# Altium PCB PCB2.PcbDoc (part 2 of 2) (continued)
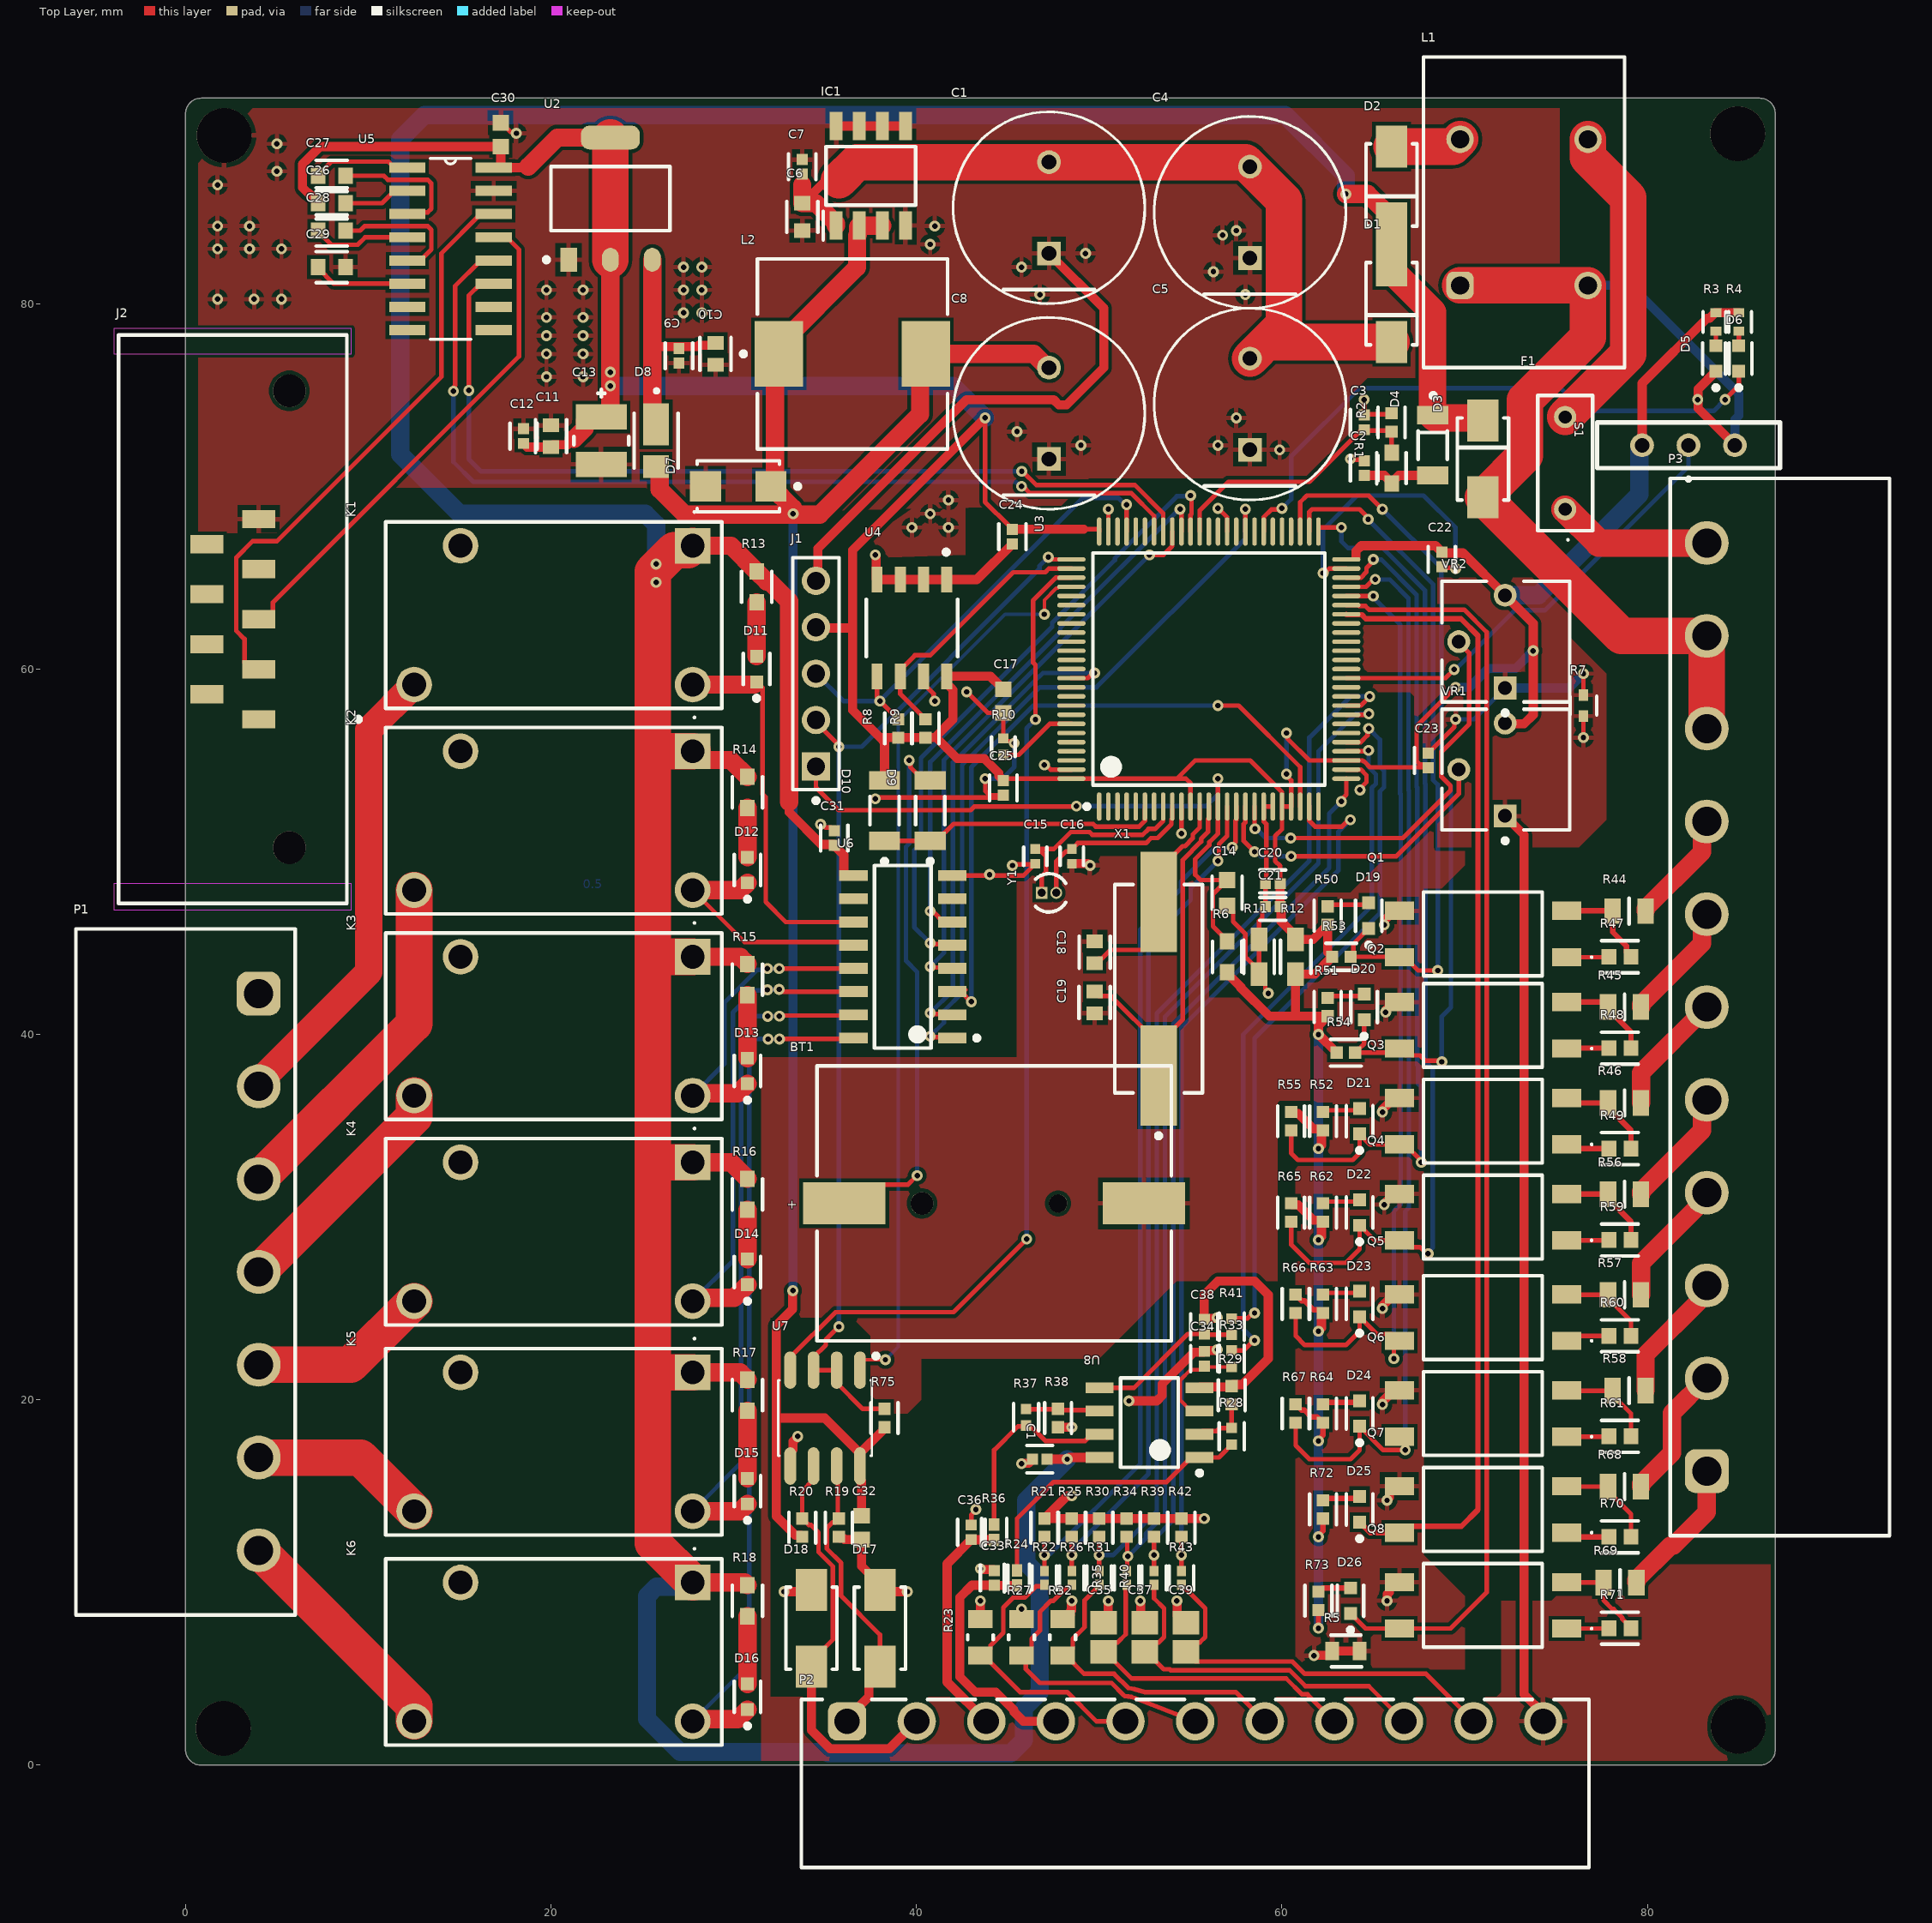
[diagram p0: Top Layer view]
## Nets (pads, with @x,y where several pads share a name; then routed paths per layer and width w, separated by ;. In a path a pad name is that pad's centre, name@x,y a point inside that pad or via, vN(x,y) a via of type N, cw(c..) or ccw(c..) an arc to the next point about the centre after c; other vN are vias at no path point) (continued)
  Top Layer w0.25: U3.64@55.5,67.525 55.5,68.684 57.066,70.25 61.5,70.25 64.25,73 C3.1@64.75,73 ; C3.1@64.5,73.1 64.551,73.048 65.949,73.048 R2.2@66,72.997 R1.1@66,71.85
NetC15_1: C15.1 U3.8 Y1.1 | length 11.4
  Top Layer w0.25: Y1.1@46.85,47.75 46.85,48.655 47.085,48.89 47.085,49.745 46.815,50.015 46.635,50.015 C15.1@46.5,50.15 47.52,50.15 48.447,51.076 49.476,51.076 49.627,50.925 52.373,50.925 52.698,51.25 53.061,51.25 53.5,51.689 U3.8@53.5,52.475
NetC16_1: C16.1 U3.9 Y1.2 | length 9.9
  Top Layer w0.25: Y1.2@47.65,47.75 47.65,49.48 48.185,50.015 48.365,50.015 48.825,50.475 52.559,50.475 52.834,50.75 53.198,50.75 53.95,51.502 53.95,51.775 54,51.825 U3.9@54,52.475
NetC18_1: C18.1 U3.12 X1.2 | length 12.1
  Top Layer w0.25: C18.1@49.75,43.9 50,44.15 50.15,44.15 50.625,44.625 52.375,44.625 53.25,45.5 53.25,49 54.558,50.308 54.692,50.308 55.125,50.741 55.125,50.95 55.5,51.325 U3.12@55.5,52.475
NetC19_1: C19.1 U3.13 X1.1 | length 20.5
  Top Layer w0.25: C19.1@49.75,42.35 50,42.1 50.65,42.1 X1.1@53.25,39.5 ; X1.1@53.25,37.75 X1.1@53.25,39.5 ; U3.13@56,52.475 56,51.825 55.95,51.775 55.95,51.082 55.575,50.707 55.575,50.555 54.575,49.555 54.575,40.825 X1.1@53.25,39.5
NetC26_2: C26.2 U5.2 | length 3.7
  Top Layer w0.25: C26.2@8.75,85.5 10.752,85.5 11.427,86.175 U5.2@12.138,86.175
NetC27_1: C27.1 U5.1 | length 5.4
  Top Layer w0.25: C27.1@7.25,87 7.25,87.05 7.975,87.775 11.097,87.775 11.427,87.445 U5.1@12.138,87.445
NetC27_2: C27.2 U5.3 | length 7.7
  Top Layer w0.25: C27.2@8.75,87 10.853,87 11.074,86.779 13.263,86.779 13.453,86.589 13.453,85.203 13.25,85 12.233,85 U5.3@12.138,84.905
NetC28_1: C28.1 U5.4 | length 5.4
  Top Layer w0.25: C28.1@7.25,84 7.25,83.95 7.975,83.225 9.419,83.225 9.829,83.635 U5.4@12.138,83.635
NetC28_2: C28.2 U5.5 | length 7.5
  Top Layer w0.25: C28.2@8.75,84 9.557,84 9.797,84.239 13.263,84.239 13.453,84.049 13.453,82.969 12.849,82.365 U5.5@12.138,82.365
NetC29_1: C29.1 U5.6 | length 5.3
  Top Layer w0.25: C29.1@7.25,82 7.25,81.95 8.105,81.095 U5.6@12.138,81.095
NetD2_2: D2.2 L1.2 | length 3.9
  Top Layer w2: D2.2@66,88.6 69.35,88.6 L1.2@69.75,89
NetD5_2: D5.2 R3.2 | length 0.8
  Top Layer w0.25: D5.2@83.75,77.7 R3.2@83.75,78.5
NetD6_1: D6.1 U3.57 | length 33
  Top Layer w0.25: U3.57@59,67.525 59,68.311 59.422,68.733 59.933,68.733 v1(60,68.8) ; v2(84.25,74.75) 85,75.5 D6.1@85,76.3
  Bottom Layer w0.25: v1(60,68.8) 60.5,69.3 60.5,71.634 64.241,75.375 75.246,75.375 76.496,74.125 83.625,74.125 v2(84.25,74.75)
NetD6_2: D6.2 R4.2 | length 0.8
  Top Layer w0.25: D6.2@85,77.7 R4.2@85,78.5
NetD9_1: D9.1 D10.1 U3.6 | length 15.6
  Top Layer w0.25: D10.1@38.25,50.6 D9.1@40.75,50.6 41.1,50.6 42.026,51.526 49.662,51.526 49.814,51.375 52.186,51.375 52.5,51.689 U3.6@52.5,52.475
NetD11_2: D11.2 R13.1 | length 2.9
  Top Layer w1: D11.2@31.25,60.7 R13.1@31.25,63.65
NetD12_2: D12.2 R14.1 | length 2.7
  Top Layer w1: D12.2@30.75,49.7 R14.1@30.75,52.4
NetD13_2: D13.2 R15.1 | length 3.4
  Top Layer w1: D13.2@30.75,38.7 R15.1@30.75,42.15
NetD14_2: D14.2 R16.1 | length 2.7
  Top Layer w1: D14.2@30.75,27.7 R16.1@30.75,30.4
NetD15_2: D15.2 R17.1 | length 3.7
  Top Layer w1: D15.2@30.75,15.7 R17.1@30.75,19.4
NetD16_2: D16.2 R18.1 | length 3.7
  Top Layer w1: D16.2@30.75,4.45 R18.1@30.75,8.15
NetD19_1: D19.1 Q1.4 R53.2 U3.52 | length 38
  Top Layer w0.25: U3.52@61.5,67.525 61.5,68.604 61.646,68.75 64.25,68.75 64.72,68.28 v1(64.72,68.191) ; D19.1@64.75,45.8 63.911,44.961 63.911,44.408 R53.2@63.754,44.25 66.405,44.25 Q1.4@66.425,44.23 66.725,44.23 67.455,43.5 v1(68.525,43.5)
  Bottom Layer w0.25: v1(64.72,68.191) 68.275,64.636 68.275,53.92 68.525,53.67 v1(68.525,43.5)
NetD19_2: D19.2 R50.1 | length 2.3
  Top Layer w0.25: R50.1@62.5,47.004 62.598,47.102 64.652,47.102 D19.2@64.75,47.2
NetD20_1: D20.1 Q2.4 R54.2 U3.53 | length 45.7
  Top Layer w0.25: U3.53@61,67.525 61,69.136 61.364,69.5 64.75,69.5 v1(65.5,68.75) ; D20.1@64.5,40.8 64.5,39.496 64.215,39.211 64.211,39.211 64.004,39.004 R54.2@64.004,39 66.195,39 Q2.4@66.425,39.23 66.8,38.855 67.55,38.855 67.838,38.567 68.683,38.567 v1(68.75,38.5)
  Bottom Layer w0.25: v1(65.5,68.75) 68.725,65.525 68.725,54.106 69.25,53.581 69.25,41.489 68.75,40.989 v1(68.75,38.5)
NetD20_2: D20.2 R51.1 | length 2.1
  Top Layer w0.25: R51.1@62.5,42.004 62.598,42.102 64.402,42.102 D20.2@64.5,42.2
NetD21_1: D21.1 Q3.4 R55.2 U3.48 | length 46.8
  Top Layer w0.25: R55.2@60.5,34.746 60.5,33.5 60.875,33.125 63.875,33.125 64.25,33.5 D21.1@64.25,34.55 64.82,33.98 66.725,33.98 67.625,33.08 v1(67.625,33) ; U3.48@63.525,65 64.311,65 64.625,65.314 64.625,65.53 65,65.905 v1(65,66)
  Bottom Layer w0.25: v1(65,66) 65.009,65.991 65.445,65.991 67.375,64.061 67.375,53.547 67.4,53.522 67.4,38.33 67.45,38.28 67.45,37.306 67.625,37.131 v1(67.625,33)
NetD21_2: D21.2 R52.1 | length 2.1
  Top Layer w0.25: R52.1@62.25,35.754 62.348,35.852 64.152,35.852 D21.2@64.25,35.95
NetD22_1: D22.1 Q4.4 R65.2 U3.51 | length 55.9
  Top Layer w0.25: R65.2@60.5,29.746 60.5,28.5 61.5,27.5 63.5,27.5 64.25,28.25 D22.1@64.25,29.55 65.07,28.73 66.7,28.73 67.075,28.355 67.55,28.355 67.905,28 v1(68,28) ; U3.51@62,67.525 62,67.75 v1(63.25,67.75)
  Bottom Layer w0.25: v1(63.25,67.75) 63.25,67 63.625,66.625 65.511,66.625 67.825,64.311 67.825,53.734 67.85,53.709 67.85,38.516 68.25,38.116 68.25,28.321 68,28.071 v1(68,28)
NetD22_2: D22.2 R62.1 | length 2.1
  Top Layer w0.25: R62.1@62.25,30.754 62.348,30.852 64.152,30.852 D22.2@64.25,30.95
NetD23_1: D23.1 Q5.4 R66.2 U3.46 | length 54.5
  Top Layer w0.25: R66.2@60.75,24.746 60.75,23.5 61.25,23 63.5,23 64.25,23.75 D23.1@64.25,24.55 65.195,23.605 66.05,23.605 66.75,22.905 66.175,22.905 66.125,22.855 v1(66.125,22.25) ; U3.46@63.525,64 64.325,64 v1(65,64)
  Bottom Layer w0.25: v1(65,64) 65,63.905 66.475,62.43 66.475,53.175 66.5,53.15 66.5,30.702 66.125,30.327 v1(66.125,22.25)
NetD23_2: D23.2 R63.1 | length 2.1
  Top Layer w0.25: R63.1@62.25,25.754 62.348,25.852 64.152,25.852 D23.2@64.25,25.95
NetD24_1: D24.1 Q6.4 R67.2 U3.47 | length 61.2
  Top Layer w0.25: R67.2@60.75,18.746 60.75,17.5 61.5,16.75 63.75,16.75 64.25,17.25 D24.1@64.25,18.55 65.55,17.25 v1(66.75,17.25) 66.75,17.655 Q6.4@66.425,17.98 ; U3.47@63.525,64.5 64.597,64.5 65.01,64.913 v1(65.104,64.913)
  Bottom Layer w0.25: v1(65.104,64.913) 65.122,64.896 65.904,64.896 66.925,63.875 66.925,53.361 66.95,53.336 66.95,30.515 66.75,30.315 v1(66.75,17.25)
NetD24_2: D24.2 R64.1 | length 2.4
  Top Layer w0.3: R64.1@62.25,19.754 62.348,19.852 D24.2@64.348,19.852 ; D24.2@64.25,19.95 D24.2@64.446,19.754
NetD25_1: D25.1 Q7.4 U3.44 | length 62.8
  Top Layer w0.3: U3.44@63.525,63 63.55,62.975 64.353,62.975 64.372,62.975 64.597,62.75 69.804,62.75 70.725,61.829 70.725,13.981 69.824,13.08 66.775,13.08 Q7.4@66.425,12.73 64.82,12.73 D25.1@64.25,13.3
NetD25_2: D25.2 R72.1 | length 2.1
  Top Layer w0.3: R72.1@62.25,14.504 62.348,14.602 64.152,14.602 D25.2@64.25,14.7
NetD26_1: D26.1 Q8.4 U3.45 | length 69.5
  Top Layer w0.25: U3.45@63.525,63.5 64.175,63.5 64.225,63.45 64.568,63.45 64.768,63.25 69.976,63.25 71.2,62.026 71.2,9.45 69.23,7.48 Q8.4@66.425,7.48 64.57,7.48 D26.1@63.75,8.3
NetD26_2: D26.2 R73.1 | length 1.8
  Top Layer w0.3: R73.1@62,9.504 62.004,9.504 62.2,9.7 D26.2@63.75,9.7
NetF1_1: F1.1 P3.11 | length 8.5
  Top Layer w1.5: F1.1@75.5,68.75 77.35,66.9 P3.11@83.25,66.9
NetF1_2: F1.2 L1.3 | length 17.5
  Top Layer w2: F1.2@75.5,73.8 78.95,77.25 78.95,85.8 76.75,88 L1.3@76.75,89
NetJ2_3: J2.3 U5.13 | length 28
  Top Layer w0.25: J2.3@4,62.73 4.4,62.73 4.775,63.105 4.775,63.641 18.25,77.116 18.25,82.958 17.573,83.635 U5.13@16.862,83.635
NetQ1_1: Q1.1 R47.2 | length 2.3
  Top Layer w0.25: Q1.1@75.575,44.23 77.879,44.23 R47.2@77.899,44.25
NetQ1_2: Q1.2 R44.2 R47.1 | length 5.4
  Top Layer w0.3: Q1.2@75.575,46.77 78.08,46.77 R44.2@78.1,46.75 78.1,45.6 78.848,44.852 78.848,44.503 R47.1@79.101,44.25
NetQ2_1: Q2.1 R48.2 | length 2.3
  Top Layer w0.3: Q2.1@75.575,39.23 75.595,39.25 R48.2@77.899,39.25
NetQ2_2: Q2.2 R45.2 R48.1 | length 5.2
  Top Layer w0.3: Q2.2@75.575,41.77 77.58,41.77 R45.2@77.85,41.5 77.85,41.25 78.15,40.95 78.28,40.95 79.101,40.129 R48.1@79.101,39.25
NetQ3_1: Q3.1 R49.2 | length 2.4
  Top Layer w0.3: Q3.1@75.575,33.98 75.805,33.75 R49.2@77.899,33.75
NetQ3_2: Q3.2 R46.2 R49.1 | length 5.4
  Top Layer w0.3: Q3.2@75.575,36.52 75.845,36.25 R46.2@77.85,36.25 77.85,36 79.101,34.749 R49.1@79.101,33.75
NetQ4_1: Q4.1 R59.2 | length 2.3
  Top Layer w0.25: Q4.1@75.575,28.73 77.879,28.73 R59.2@77.899,28.75
NetQ4_2: Q4.2 R56.2 R59.1 | length 5.3
  Top Layer w0.3: Q4.2@75.575,31.27 77.83,31.27 R56.2@77.85,31.25 77.85,31 79.101,29.749 R59.1@79.101,28.75
NetQ5_1: Q5.1 R60.2 | length 2.4
  Top Layer w0.25: Q5.1@75.575,23.23 75.845,23.5 R60.2@77.899,23.5
NetQ5_2: Q5.2 R57.2 R60.1 | length 5.1
  Top Layer w0.25: Q5.2@75.575,25.77 75.595,25.75 R57.2@77.85,25.75 77.85,25.5 78.175,25.175 78.23,25.175 79.101,24.304 R60.1@79.101,23.5
NetQ6_1: Q6.1 R61.2 | length 2.3
  Top Layer w0.25: Q6.1@75.575,17.98 77.879,17.98 R61.2@77.899,18
NetQ6_2: Q6.2 R58.2 R61.1 | length 5.4
  Top Layer w0.25: Q6.2@75.575,20.52 75.595,20.5 R58.2@78.1,20.5 78.1,20.25 79.101,19.249 R61.1@79.101,18
NetQ7_1: Q7.1 R70.2 | length 2.4
  Top Layer w0.3: Q7.1@75.575,12.73 75.805,12.5 R70.2@77.899,12.5
NetQ7_2: Q7.2 R68.2 R70.1 | length 5.6
  Top Layer w0.25: Q7.2@75.575,15.27 75.595,15.25 R68.2@77.85,15.25 77.85,15 79.101,13.749 R70.1@79.101,12.5
NetQ8_1: Q8.1 R71.2 | length 2.3
  Top Layer w0.25: Q8.1@75.575,7.48 77.879,7.48 R71.2@77.899,7.5
NetQ8_2: Q8.2 R69.2 R71.1 | length 5.2
  Top Layer w0.25: Q8.2@75.575,10.02 75.595,10 R69.2@77.6,10 77.6,9.027 78.082,8.545 78.145,8.545 78.627,8.064 78.627,8 79.101,7.526 R71.1@79.101,7.5
NetR10_1: R10.1 U3.94 | length 4.4
  Top Layer w0.25: R10.1@44.75,55.3 45.587,55.3 47.287,57 U3.94@48.475,57
NetR21_1: R21.1 R22.2 U3.16 | length 47.9
  Top Layer w0.25: R22.2@47,10.626 v2(47,11.5) R21.1@47,12.496 ; v1(57.275,50.25) 57.275,50.345 57.45,50.52 57.45,51.695 57.5,51.745 U3.16@57.5,52.475
  Bottom Layer w0.25: v2(47,11.5) 47.067,11.567 47.317,11.567 52.25,16.5 52.25,45.75 54.467,47.967 54.467,48.35 56.325,50.209 57.234,50.209 v1(57.275,50.25)
NetR25_1: R25.1 R26.2 U3.15 | length 46.4
  Top Layer w0.25: R26.2@48.5,10.626 v2(48.5,11.5) R25.1@48.5,12.496 ; v1(56.5,49.5) 56.558,49.558 56.558,50.416 57,50.859 U3.15@57,52.475
  Bottom Layer w0.25: v2(48.5,11.5) 48.567,11.567 48.567,11.817 52.7,15.95 52.7,45.066 55.008,47.375 55.008,48.008 v1(56.5,49.5)
NetR30_1: R30.1 R31.2 U3.34 | length 57.5
  Top Layer w0.25: R31.2@50,10.626 v2(50,11.5) R30.1@50,12.496 ; U3.34@63.525,58 64.311,58 64.8,58.489 v1(64.8,58.5)
  Bottom Layer w0.25: v2(50,11.5) 50.75,11.5 53.15,13.9 53.15,41.15 61.5,49.5 61.5,56.25 63.75,58.5 v1(64.8,58.5)
NetR33_1: R33.1 U3.29 | length 38.4
  Top Layer w0.25: R33.1@57.25,22.704 57.915,22.704 58.461,23.25 v2(58.5,23.25) ; U3.29@63.525,55.5 64.695,55.5 v1(64.74,55.545)
  Bottom Layer w0.25: v2(58.5,23.25) 57.875,23.875 57.875,39.991 64.915,47.031 64.915,53.491 65.141,53.717 65.141,54.235 64.74,54.636 v1(64.74,55.545)
NetR34_2: R34.2 R35.2 U3.33 | length 55.2
  Top Layer w0.25: R35.2@51.5,10.626 51.533,10.66 51.533,11.4 v2(51.567,11.433) 51.533,11.467 51.533,12.463 R34.2@51.5,12.496 ; U3.33@63.525,57.5 64.7,57.5 v1(64.75,57.55)
  Bottom Layer w0.25: v2(51.567,11.433) 52.55,12.416 52.55,12.664 53.6,13.714 53.6,40.964 62,49.364 62,55.5 64.05,57.55 v1(64.75,57.55)
NetR39_1: R39.1 R40.2 U3.26 | length 48.7
  Top Layer w0.25: R40.2@53,10.626 v2(53,11.5) R39.1@53,12.496 ; v1(63.25,52.75) 63.25,52.845 63.525,53.12 U3.26@63.525,54
  Bottom Layer w0.25: v2(53,11.5) 53,12.364 54.05,13.414 54.05,40.57 62.586,49.106 62.586,52.086 v1(63.25,52.75)
NetR41_2: R41.2 U3.30 | length 38.4
  Top Layer w0.25: R41.2@57.25,24.454 58.109,24.454 58.405,24.75 v2(58.5,24.75) ; U3.30@63.525,56 64.311,56 64.681,56.369 64.681,56.683 v1(64.748,56.75)
  Bottom Layer w0.25: v2(58.5,24.75) 58.5,39.784 65.365,46.649 65.365,53.305 65.591,53.531 65.591,54.421 65.365,54.647 65.365,56.133 v1(64.748,56.75)
NetR42_1: R42.1 R43.2 U3.24 | length 49.3
  Top Layer w0.25: R43.2@54.5,10.626 v2(54.5,11.5) R42.1@54.5,12.496 ; U3.24@61.5,52.475 61.5,51.689 61.814,51.375 63.28,51.375 63.655,51.75 v1(63.75,51.75)
  Bottom Layer w0.25: v2(54.5,11.5) 54.5,40.384 63.086,48.97 63.086,51.086 v1(63.75,51.75)
NetU3_17: U3.17 VR1.2 | length 16.8
  Top Layer w0.25: U3.17@58,52.475 58,51.609 57.9,51.509 57.9,50.6 v1(58.5,50) ; v1(60.5,49.75) 66.25,49.75 69.675,53.175 VR1.2@69.675,54.5
  Bottom Layer w0.25: v1(58.5,50) 58.595,50 58.845,49.75 v1(60.5,49.75)
NetU3_18: U3.18 VR2.2 | length 22.4
  Top Layer w0.25: U3.18@58.5,52.475 58.5,51.275 v1(58.525,51.25) ; v1(60.475,50.75) 66.614,50.75 69.225,53.361 69.225,53.606 68.725,54.106 68.725,55.475 70.25,57 70.25,60.868 69.675,61.443 VR2.2@69.675,61.5
  Bottom Layer w0.25: v1(58.525,51.25) 58.62,51.25 59.12,50.75 v1(60.475,50.75)
NetU3_23: U3.23 U6.3 | length 37.4
  Top Layer w0.25: U6.3@41.95,42.44 U6.3@42.52,42.44 ; U6.3@42.69,42.44 U6.3@42.52,42.44 ; v1(43,41.793) 42.977,41.793 42.52,42.25 U6.3@42.52,42.44 ; v1(56.5,58) 57.633,58 61,54.633 U3.23@61,52.475
  Bottom Layer w0.25: v1(43,41.793) 43,54.614 46.386,58 v1(56.5,58)
NetU3_59: U3.59 U6.1 | length 40.3
  Top Layer w0.25: v1(40.75,39.9) 40.797,39.853 41.902,39.853 U6.1@41.95,39.805 ; U3.59@58,67.525 58,68.175 v1(58,68.75)
  Bottom Layer w0.25: v1(40.75,39.9) 41.5,40.65 41.5,41.284 42.5,42.284 42.5,54.75 46.75,59 49.849,59 58,67.151 v1(58,68.75)
NetU3_65: U3.65 U6.5 | length 34.8
  Top Layer w0.25: v1(40.75,45) 40.807,44.943 41.892,44.943 U6.5@41.95,44.885 ; U3.65@55,67.525 55,68.441 55.05,68.491 55.05,69.45 v1(55,69.5)
  Bottom Layer w0.25: v1(40.75,45) 39.875,45.875 39.875,50.081 40.25,50.456 40.25,55.136 47.425,62.311 47.425,62.537 50.862,65.974 50.862,66.071 54.25,69.459 54.959,69.459 v1(55,69.5)
NetU3_66: U3.66 U6.6 | length 30.4
  Top Layer w0.25: v1(40.75,46.75) 40.817,46.683 40.947,46.683 41.475,46.155 U6.6@41.95,46.155 ; v1(54.425,68.75) 54.425,68.655 54.5,68.58 U3.66@54.5,67.525
  Bottom Layer w0.25: v1(40.75,46.75) 40.75,54.909 47.875,62.034 47.875,62.258 54.366,68.75 v1(54.425,68.75)
NetU3_67: U3.67 U6.4 | length 31
  Top Layer w0.25: v1(40.75,43.71) 40.797,43.663 41.902,43.663 U6.4@41.95,43.615 ; v1(52.75,66.25) 53.511,66.25 54,66.739 U3.67@54,67.525
  Bottom Layer w0.25: v1(40.75,43.71) 41.5,44.46 41.5,55.023 46.537,60.06 46.56,60.06 v1(52.75,66.25)
NetU3_68: U3.68 U5.11 | length 50.8
  Top Layer w0.25: v2(15.5,75.25) 15.5,80.444 16.151,81.095 U5.11@16.862,81.095 ; v2(45.759,70.819) 45.815,70.819 46.559,70.075 51.945,70.075 53.5,68.52 U3.68@53.5,67.525
  Bottom Layer w0.25: v2(15.5,75.25) 15.5,71.5 16.181,70.819 v2(45.759,70.819)
NetU3_69: U3.69 U5.12 | length 52.8
  Top Layer w0.25: v2(14.658,75.208) 14.725,75.275 14.725,75.505 14.75,75.53 14.75,80.964 16.151,82.365 U5.12@16.862,82.365 ; v2(45.75,70) 45.845,70 46.22,69.625 51.759,69.625 53,68.384 U3.69@53,67.525
  Bottom Layer w0.25: v2(14.658,75.208) 14.658,71.342 15.75,70.25 45.429,70.25 45.679,70 v2(45.75,70)
NetU3_78: U3.78 U7.4 | length 54.1
  Top Layer w0.25: U7.4@33.095,21.625 33.095,22.325 35.568,24.798 42.029,24.798 v1(46.028,28.796) ; v1(46.51,57.24) 46.51,60.229 46.375,60.364 46.375,63.752 47.623,65 U3.78@48.475,65
  Bottom Layer w0.25: v1(46.028,28.796) 46.028,56.758 v1(46.51,57.24)
NetU3_79: U3.79 U7.1 | length 50.1
  Top Layer w0.2: U7.1@36.905,21.625 36.905,21.985 37.113,22.193 v2(38.299,22.193) ; v2(47,63) 47,63.776 47.649,64.425 47.715,64.425 47.736,64.425 47.811,64.5 U3.79@48.475,64.5
  Bottom Layer w0.2: v2(38.299,22.193) 39,22.894 39,57.149 44.851,63 v2(47,63)
NetU3_89: U3.89 U6.2 | length 26.6
  Top Layer w0.25: v1(40.75,41.17) 40.797,41.123 41.902,41.123 U6.2@41.95,41.075 ; U3.89@48.475,59.5 49.371,59.5 49.655,59.785 v1(49.75,59.785)
  Bottom Layer w0.25: v1(40.75,41.17) 42,42.42 42,54.886 46.723,59.61 46.746,59.61 46.921,59.785 v1(49.75,59.785)
NRST: C14.1 J1.1 R6.2 U3.14 | length 36.5
  Top Layer w0.25: J1.1@34.5,54.67 34.5,53.52 35.745,52.275 42.961,52.275 43.158,52.472 48.722,52.472 v1(48.75,52.5) ; v1(56.5,54) U3.14@56.5,52.475 56.5,50.995 56.025,50.52 56.025,50.368 55.25,49.593 55.25,48.75 55.55,48.45 C14.1@57,48.45 56.225,47.675 56.225,45.925 57,45.15 R6.2@57,45.1
  Bottom Layer w0.25: v1(48.75,52.5) 55.854,52.5 56.5,53.146 v1(56.5,54)
o_OUT1: R24.2 R28.1 U8.1 | length 16.3
  Top Layer w0.25: R24.2@45.5,10.666 45.5,13.5 47.5,15.5 53.685,15.5 55.03,16.845 U8.1@55.49,16.845 56.549,16.845 56.735,17.032 56.735,17.035 57.246,17.546 R28.1@57.25,17.546
o_OUT2: R36.2 R37.2 U8.7 | length 10.9
  Top Layer w0.25: R36.2@44.25,13.166 44.25,17.25 45.546,18.546 46.25,18.546 46.254,18.546 47.05,17.75 49.229,17.75 49.375,17.896 49.375,17.94 49.55,18.115 U8.7@50.01,18.115
OUT1: D11.1 K1.2 U6.11 | length 20.9
  Top Layer w0.25: D11.1@31.1,59.15 31.4,59.15 31.575,58.975 31.575,53.158 31.75,52.983 31.75,47.25 32.845,46.155 U6.11@36.55,46.155
  Top Layer w1: K1.2@27.75,59.15 D11.1@31.1,59.15
OUT2: D12.1 K2.2 U6.12 | length 13.2
  Top Layer w0.25: K2.2@27.75,47.9 30.59,45.06 36.375,45.06 U6.12@36.55,44.885
  Top Layer w1: K2.2@27.75,47.9 30.35,47.9 D12.1@30.75,48.3
OUT3: D13.1 K3.2 U6.13 | length 16.9
  Top Layer w0.25: v2(32.483,43.604) 32.489,43.61 36.545,43.61 U6.13@36.55,43.615
  Top Layer w1: K3.2@27.75,36.65 27.875,36.775 30.225,36.775 D13.1@30.75,37.3
  Bottom Layer w0.25: K3.2@27.75,36.65 29.5,38.4 29.5,41.75 31.286,43.536 31.773,43.536 31.841,43.603 v2(32.483,43.604)
  other v1: 31.84,43.603
OUT4: D14.1 K4.2 U6.14 | length 27.3
  Top Layer w0.25: v2(32.483,42.467) 32.578,42.467 32.7,42.345 U6.14@36.55,42.345
  Top Layer w1: K4.2@27.75,25.4 27.932,25.582 30.032,25.582 D14.1@30.75,26.3
  Bottom Layer w0.25: K4.2@27.75,25.4 29.95,27.6 29.95,41.2 31.165,42.415 31.814,42.415 31.853,42.454 32.47,42.454 v2(32.483,42.467)
  other v1: 31.84,42.442
OUT5: D15.1 K5.2 U6.15 | length 37.3
  Top Layer w0.25: v2(32.5,41) 32.538,41.037 36.512,41.037 U6.15@36.55,41.075
  Top Layer w1: K5.2@27.75,13.9 30.35,13.9 D15.1@30.75,14.3
  Bottom Layer w0.25: K5.2@27.75,13.9 30.4,16.55 30.4,40.65 30.75,41 31.854,41 v1(31.862,40.992) 31.866,40.996 32.496,40.996 v2(32.5,41)
OUT6: D16.1 K6.2 U6.16 | length 47.5
  Top Layer w0.25: v2(32.5,39.75) 36.495,39.75 U6.16@36.55,39.805
  Top Layer w1: K6.2@27.75,2.4 27.875,2.525 30.225,2.525 D16.1@30.75,3.05
  Bottom Layer w0.25: K6.2@27.75,2.4 30.85,5.5 30.85,39.604 30.996,39.75 31.877,39.75 v1(31.883,39.744) 31.887,39.747 32.497,39.747 v2(32.5,39.75)
PB2: S1.1 U3.37 | length 24.7
  Top Layer w0.25: U3.37@63.525,59.5 68.947,59.5 v1(69.425,59.978)
  Bottom Layer w0.25: v1(69.425,59.978) 69.496,59.978 72.734,63.215 74.382,63.215 82.25,71.083 S1.1@82.25,72.25
Power_monitor: C2.1 D4.2 R1.2 | length 4.1
  Top Layer w0.5: C2.1@64.5,70.6 65.6,70.6 R1.2@66,70.2 ; R1.2@66,70.15 R1.2@66,70.2 ; D4.2@68.25,70.6 66.4,70.6 R1.2@66,70.2
SCL: R9.1 U3.77 U4.6 | length 14.9
  Top Layer w0.25: R9.1@40.5,57.254 40.496,57.254 39.115,58.635 39.115,59.957 39.908,60.75 40.75,60.75 45.3,65.3 47.05,65.3 47.25,65.5 U3.77@48.475,65.5
SWCLK: J1.2 R75.1 U3.76 U7.2 U7.3 | length 59
  Top Layer w0.25: J1.2@34.5,57.21 34.5,57.095 35.75,55.845 v2(35.75,55.75) ; v2(35.75,24) 35.039,23.289 35.039,22.999 34.365,22.325 U7.3@34.365,21.625 U7.2@35.635,21.625 35.635,20.925 37.056,19.504 R75.1@38.25,19.504 ; v1(47.217,66.124) 47.312,66.124 47.436,66 U3.76@48.475,66
  Bottom Layer w0.25: v2(35.75,24) v2(35.75,55.75) ; v2@35.758,55.75 37,55.75 46.73,65.48 46.73,65.637 v1(47.217,66.124)
SWDIO: J1.3 R8.2 U3.72 U4.5 | length 26.7
  Top Layer w0.25: U4.5@37.845,59.6 37.845,58.486 38,58.331 v1(38,58.25) 38.996,57.254 R8.2@39,57.254 ; U3.72@51.5,67.525 51.5,68.325 v1(51.5,69)
  Bottom Layer w0.25: J1.3@34.5,59.75 36,58.25 v1(38,58.25) 49.125,69.375 51.03,69.375 51.405,69 v1(51.5,69)
T1OUT: J2.2@4,59.99 U5.14 | length 32.7
  Top Layer w0.25: J2.2@4,59.99 3.6,59.99 3.225,60.365 3.225,61.645 2.775,62.095 2.775,66.105 3.67,67 5,67 14,76 14,82.754 16.151,84.905 U5.14@16.862,84.905
X00: P3.8 R44.1 | length 6.3
  Top Layer w1: R44.1@79.9,46.75 79.9,46.9 82.982,49.982 82.982,51.392 P3.8@83.25,51.66
X01: P3.7 R45.1 | length 6.6
  Top Layer w1: R45.1@79.65,41.5 79.65,41.65 82.982,44.982 82.982,46.312 P3.7@83.25,46.58
X02: P3.6 R46.1 | length 6.7
  Top Layer w1: R46.1@79.65,36.25 79.65,37.9 P3.6@83.25,41.5
X03: P3.5 R56.1 | length 6.7
  Top Layer w1: R56.1@79.65,31.25 79.65,31.4 82.982,34.732 82.982,36.152 P3.5@83.25,36.42
X04: P3.4 R57.1 | length 7.1
  Top Layer w1: R57.1@79.65,25.75 79.65,27.477 83.25,31.077 P3.4@83.25,31.34
X05: P3.3 R58.1 | length 7.1
  Top Layer w1: R58.1@79.9,20.5 79.9,22.477 82.982,25.559 82.982,25.992 P3.3@83.25,26.26
X06: P3.2 R68.1 | length 7.4
  Top Layer w1: R68.1@79.65,15.25 79.65,15.4 81.341,17.091 81.341,19.271 P3.2@83.25,21.18
X07: P3.1 R69.1 | length 7.8
  Top Layer w1: R69.1@79.4,10 79.4,10.15 81.275,12.025 81.425,12.025 83.25,13.85 P3.1@83.25,16.1
Y00: K1.3 P1.2 | length 25.5
  Top Layer w1.5: P1.2@4,37.16 4,37.404 10.03,43.434 10.03,56.67 K1.3@12.51,59.15
Y01: K2.3 P1.3 | length 19.3
  Top Layer w2: P1.3@4,32.08 12.51,40.59 K2.3@12.51,47.9
Y02: K3.3 P1.4 | length 13.2
  Top Layer w2: P1.4@4,27 12.51,35.51 K3.3@12.51,36.65
Y03: K4.3 P1.5 | length 10
  Top Layer w2: P1.5@4,21.92 9.03,21.92 K4.3@12.51,25.4
Y04: K5.3 P1.6 | length 9.7
  Top Layer w2: P1.6@4,16.84 9.57,16.84 K5.3@12.51,13.9
Y05: K6.3 P1.7 | length 12.9
  Top Layer w2: P1.7@4,11.76 12.51,3.25 K6.3@12.51,2.4
pads on no net: BT1. J2.1 J2.2@5.68,50.23 J2.4 J2.6 J2.7 J2.8 J2.9 U3.1 U3.2 U3.3 U3.4 U3.5 U3.7 U3.25 U3.31 U3.32 U3.35 U3.36 U3.38 U3.39 U3.40 U3.41 U3.42 U3.43 U3.54 U3.55 U3.56 U3.58 U3.60 U3.62 U3.63 U3.70 U3.71 U3.73 U3.80 U3.81 U3.82 U3.83 U3.84 U3.85 U3.86 U3.87 U3.88 U3.90 U3.91 U3.92 U3.93 U3.95 U3.96 U3.97 U3.98 U5.7 U5.8 U5.9 U5.10 U6.7 U6.10

## Polygon pours and split planes (outlines as drawn)
GND on Bottom Layer "GND_L02_P014" (solid, pour order 14): 86.75,12.5 86.75,2.75 84.25,0.25 77.75,0.25 77.75,5.25 62,5.25 62,6.5 60.5,8 60.5,41.25 66.25,47 66.25,62.75 66,62.75 64.75,64 64.75,66.75 65.25,66.75 65.75,67.25 64.75,68.25 65,68.25 65.75,69 66.25,69 66.25,74.5 66.75,75 74.75,75 76.25,73.5 76.25,56 70.5,56 70.5,12.5
GND on Bottom Layer "GND_L02_P013" (solid, remove dead copper, pour order 13): 77.25,3.5 76,4.75 61.75,4.75 60,6.5 60,40.25 66,45.964 66,75.75 75.75,75.75 75.75,90.75 3.75,90.75 0,87 0,68.75 0.75,68.75 2,67.5 5,67.5 6.75,69.25 6.75,69.75 28.5,69.75 28.75,70 30.25,68.5 30.25,49.25 31.5,48 33,48 33,39.25 31.5,37.75 31.5,0 77.25,0
COM on Bottom Layer "COM_L02_P001" (solid, remove dead copper, pour order 1): 2.25,40.25 11,40.25 11,1 17.75,1 17.75,68.25 11,68.25 11,44.5 2.25,44.5 2.25,42.5
GND on Top Layer "GND_L01_P010" (solid, remove dead copper, pour order 10): 71.75,3.75 72,4 72,9 74.75,9 75,9.25 78.5,9.25 80.25,11 86.75,11 86.75,2.5 84.5,0.25 31.5,0.25 31.5,38.75 45.5,38.75 45.5,49.75 56,49.75 56,42 61.5,42 61.537,41.963 61.537,36.371 59.871,36.371 59.75,36.25 59.75,26.5 54.25,26.5 50,22.25 40.25,22.25 40.25,20 39.5,19.25 38,19.25 38,19.75 37.5,20.25 37.5,23.5 36.75,24.25 36.5,24.5 32,24.5 32,3.75
GND on Top Layer "GND_L01_P005" (solid, remove dead copper, pour order 5): 0.688,87.687 3.688,90.687 75.188,90.687 75.188,83.117 75.188,75.938 64.688,75.938 63.688,74.938 63.688,70.438 49.438,70.438 47.938,68.937 30.254,68.569 32.75,68.704 33.251,68.704 32.438,68.688 26.438,68.688 25.188,69.938 7.438,69.938 7.438,69.688 5.188,67.438 0.688,67.438 0.688,69.187 0.688,85.188
GND on Top Layer "GND_L01_P008" (solid, pour order 8): 62.75,63.25 68.5,63.25 68.5,65 75.75,65 75.75,61.75 77.75,59.75 77.75,51.75 76.25,50.25 68.5,50.25 68.5,51.75 68.75,51.75 68.75,52.75 67.25,54.25 67.25,58.5 67,58.75 62.75,58.75
GND on Top Layer "GND_L01_P012" (solid, remove dead copper, pour order 12): 67.75,11.5 70,9.25 70,5.25 67.75,5.25 60.75,5.25 60.75,47.75 63.75,47.75 66.875,50.875 68,52.25 69.25,52.25 70,51.5 70,49.25 68.75,48 67.75,48
GND on Top Layer "GND_L01_P007" (solid, pour order 7): 35.75,66 42.664,66.252 42.664,70.806

## Other copper
Bottom Layer:
  text "0.5" at 21.738,47.996 h0.5

## Silkscreen, mask and mechanical layers (free items; w line width, h text height)
Mechanical 1:
  lines w0.254: 0,0.854 ccw(c0.854,0.854) 0.25,0.25 ccw(c0.854,0.854) 0.854,0 3.25,0 86.146,0 ccw(c86.146,0.854) 86.75,0.25 ccw(c86.146,0.854) 87,0.854 87,90.396 ccw(c86.146,90.396) 86.75,91 ccw(c86.146,90.396) 86.146,91.25 86,91.25 0.854,91.25 ccw(c0.854,90.396) 0.25,91 ccw(c0.854,90.396) 0,90.396 0,90 0,87.5 0,6.75 0,0.854

## Text inside footprints (layer, text, board x,y; h text height)
BT1: Top Overlay "+" at 32.995,30.95 h0.5 r270